# Altium PCB SmartLock_Alpha_v1.PcbDoc
Units mm, origin at the board's own origin, x right, y up, seen from the top; angles counter-clockwise.
Board outline 70.33 x 62.84 mm, 4 copper layers (Top Layer, Signal Layer 1, Signal Layer 2, Bottom Layer), stack 0.778 mm thick; 68 components, 73 nets, 286 pads, 587 vias.
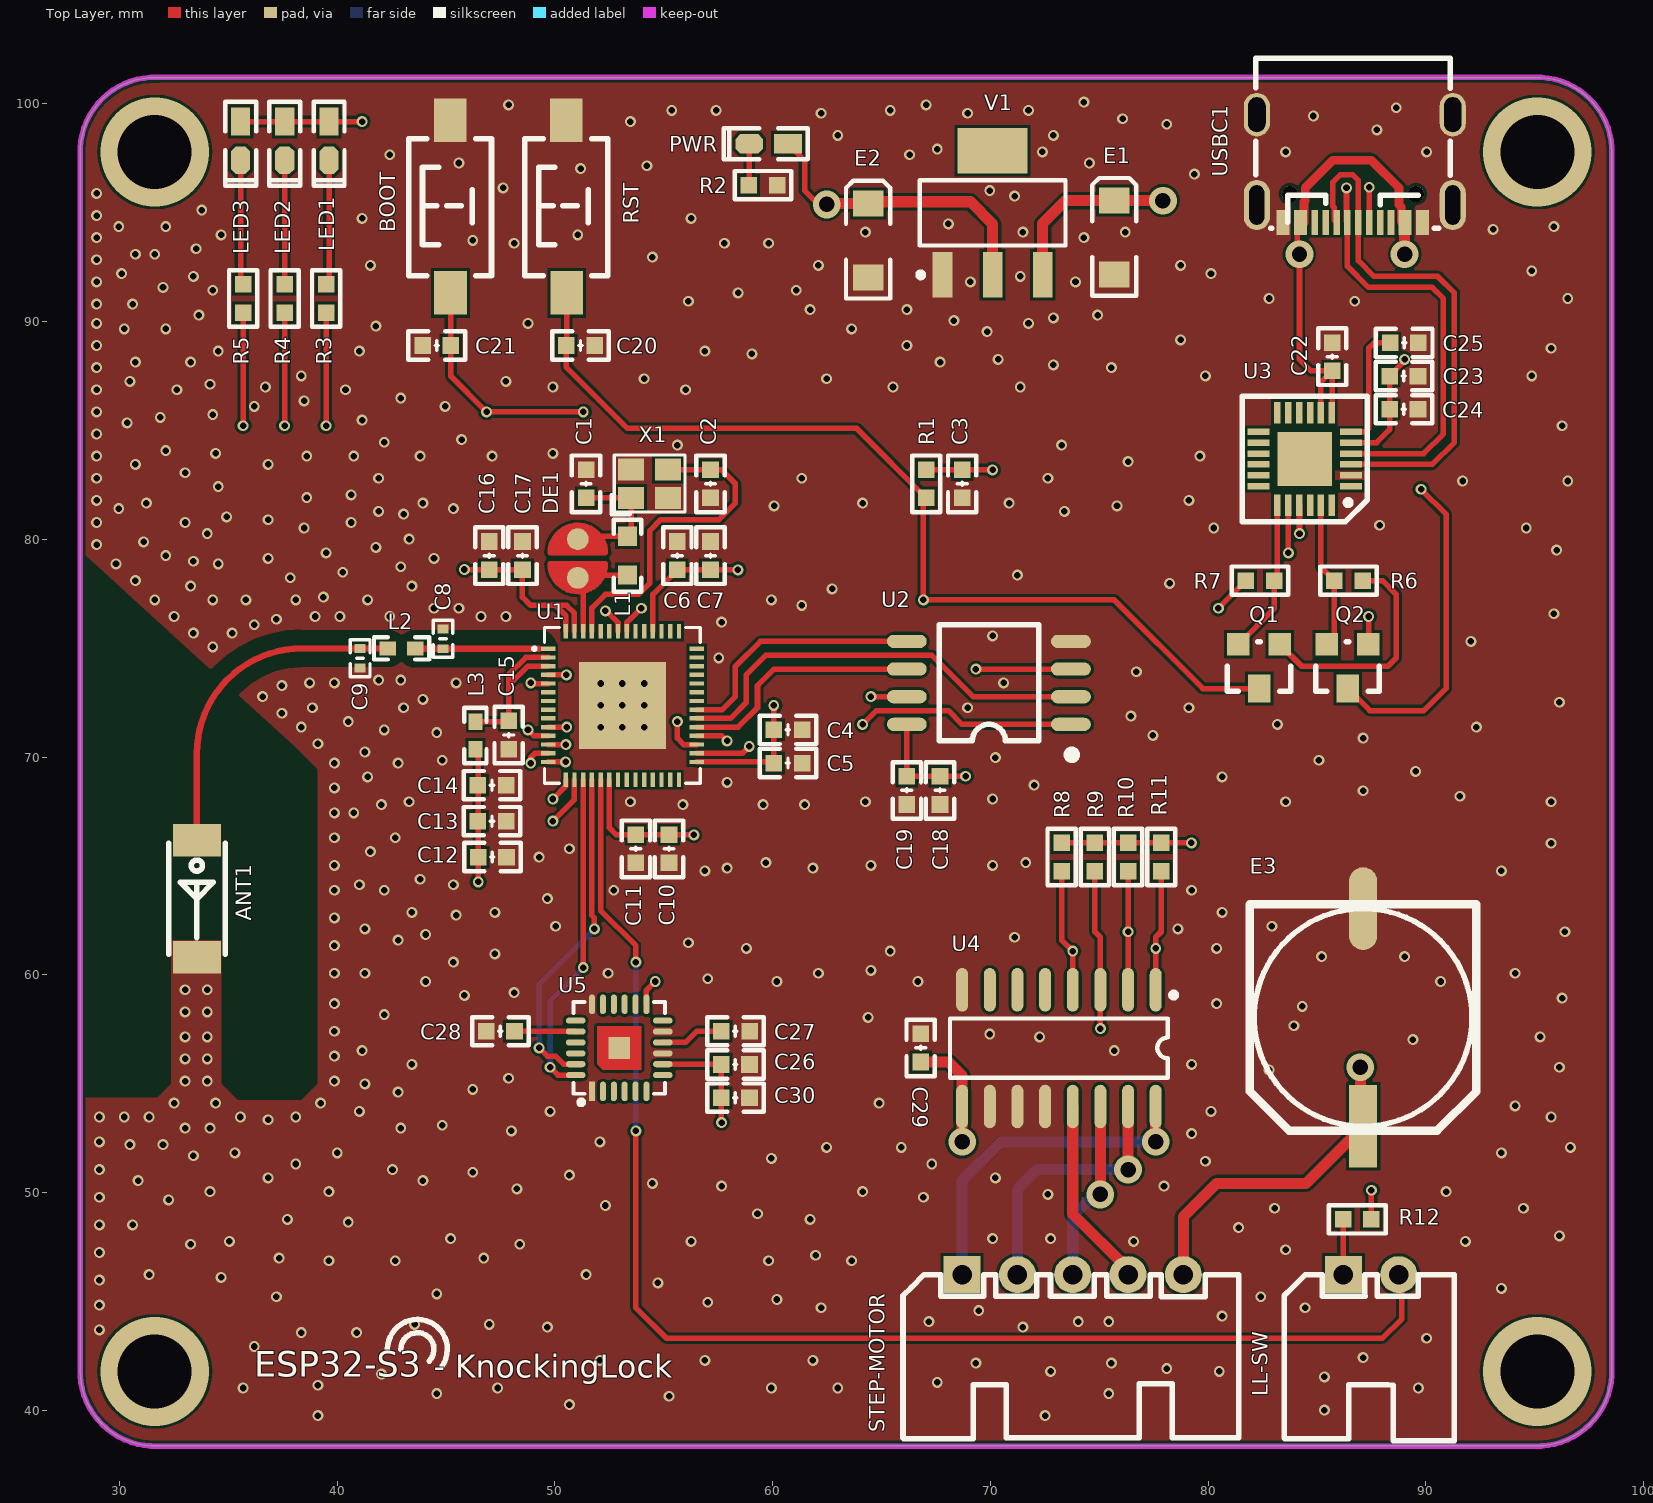
[diagram p0: Top Layer view]
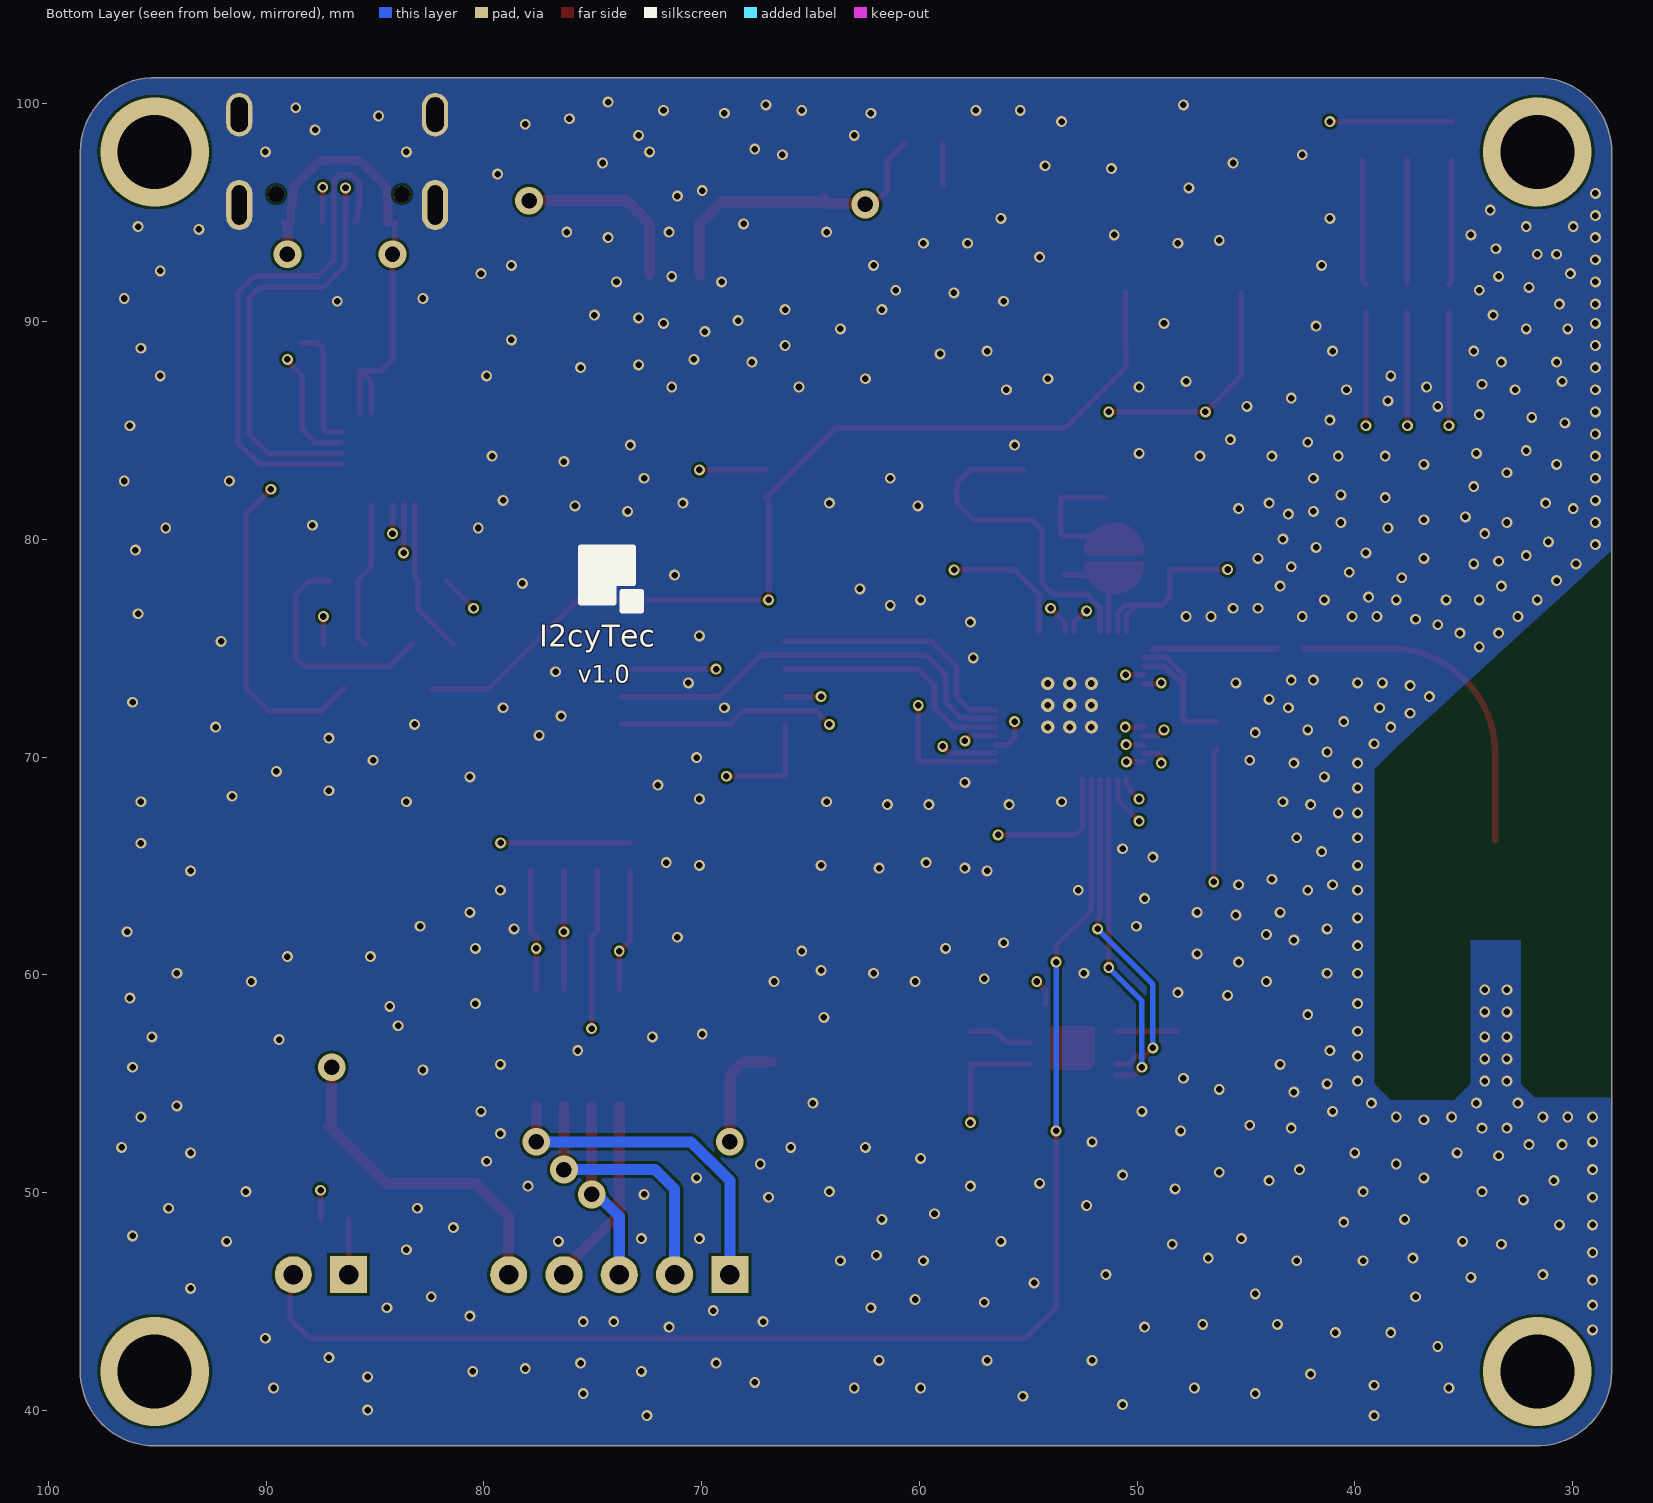
[diagram p1: Bottom Layer view, seen from below]
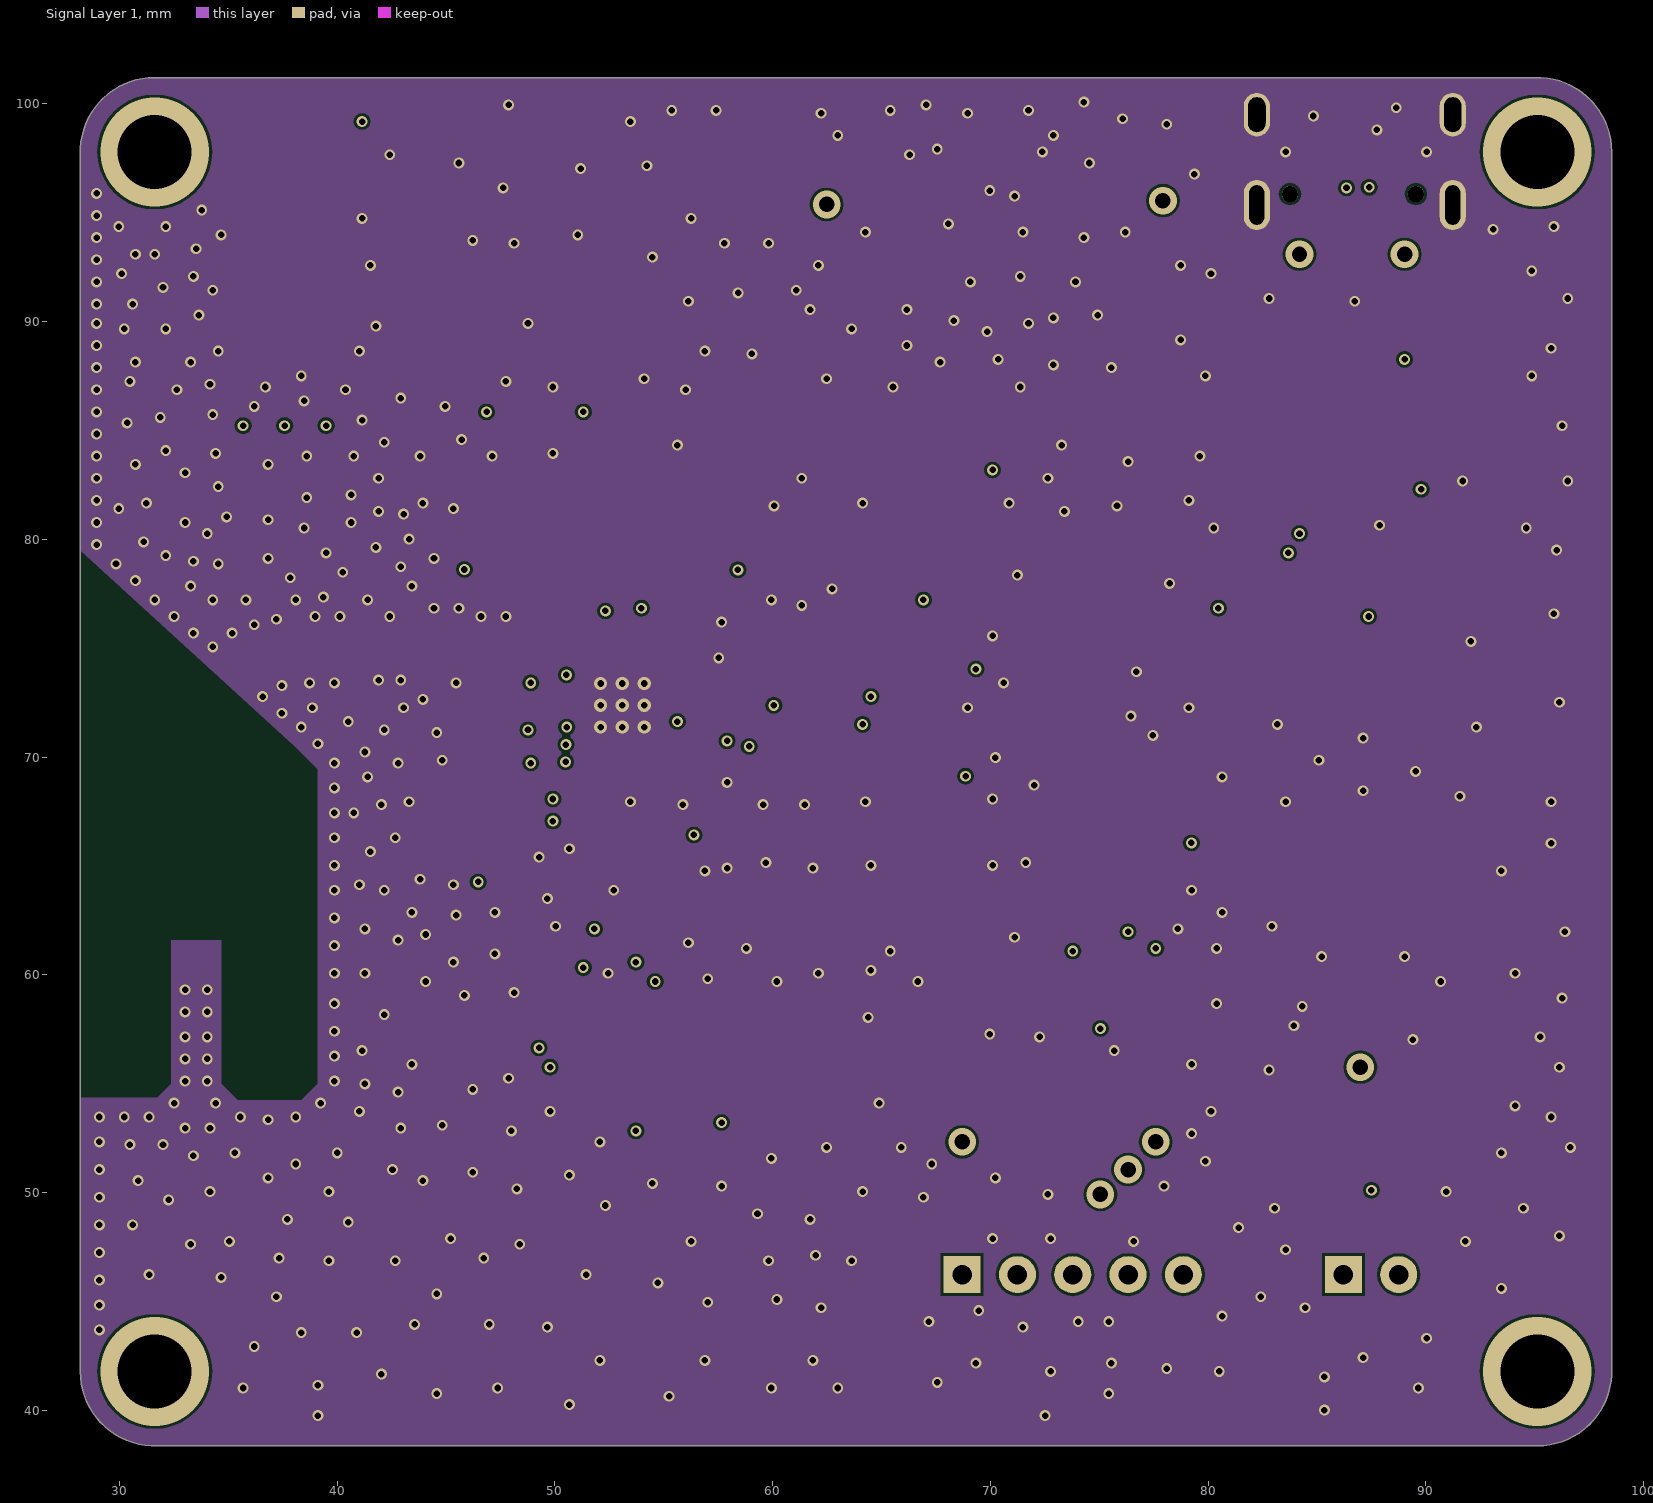
[diagram p2: Signal Layer 1]
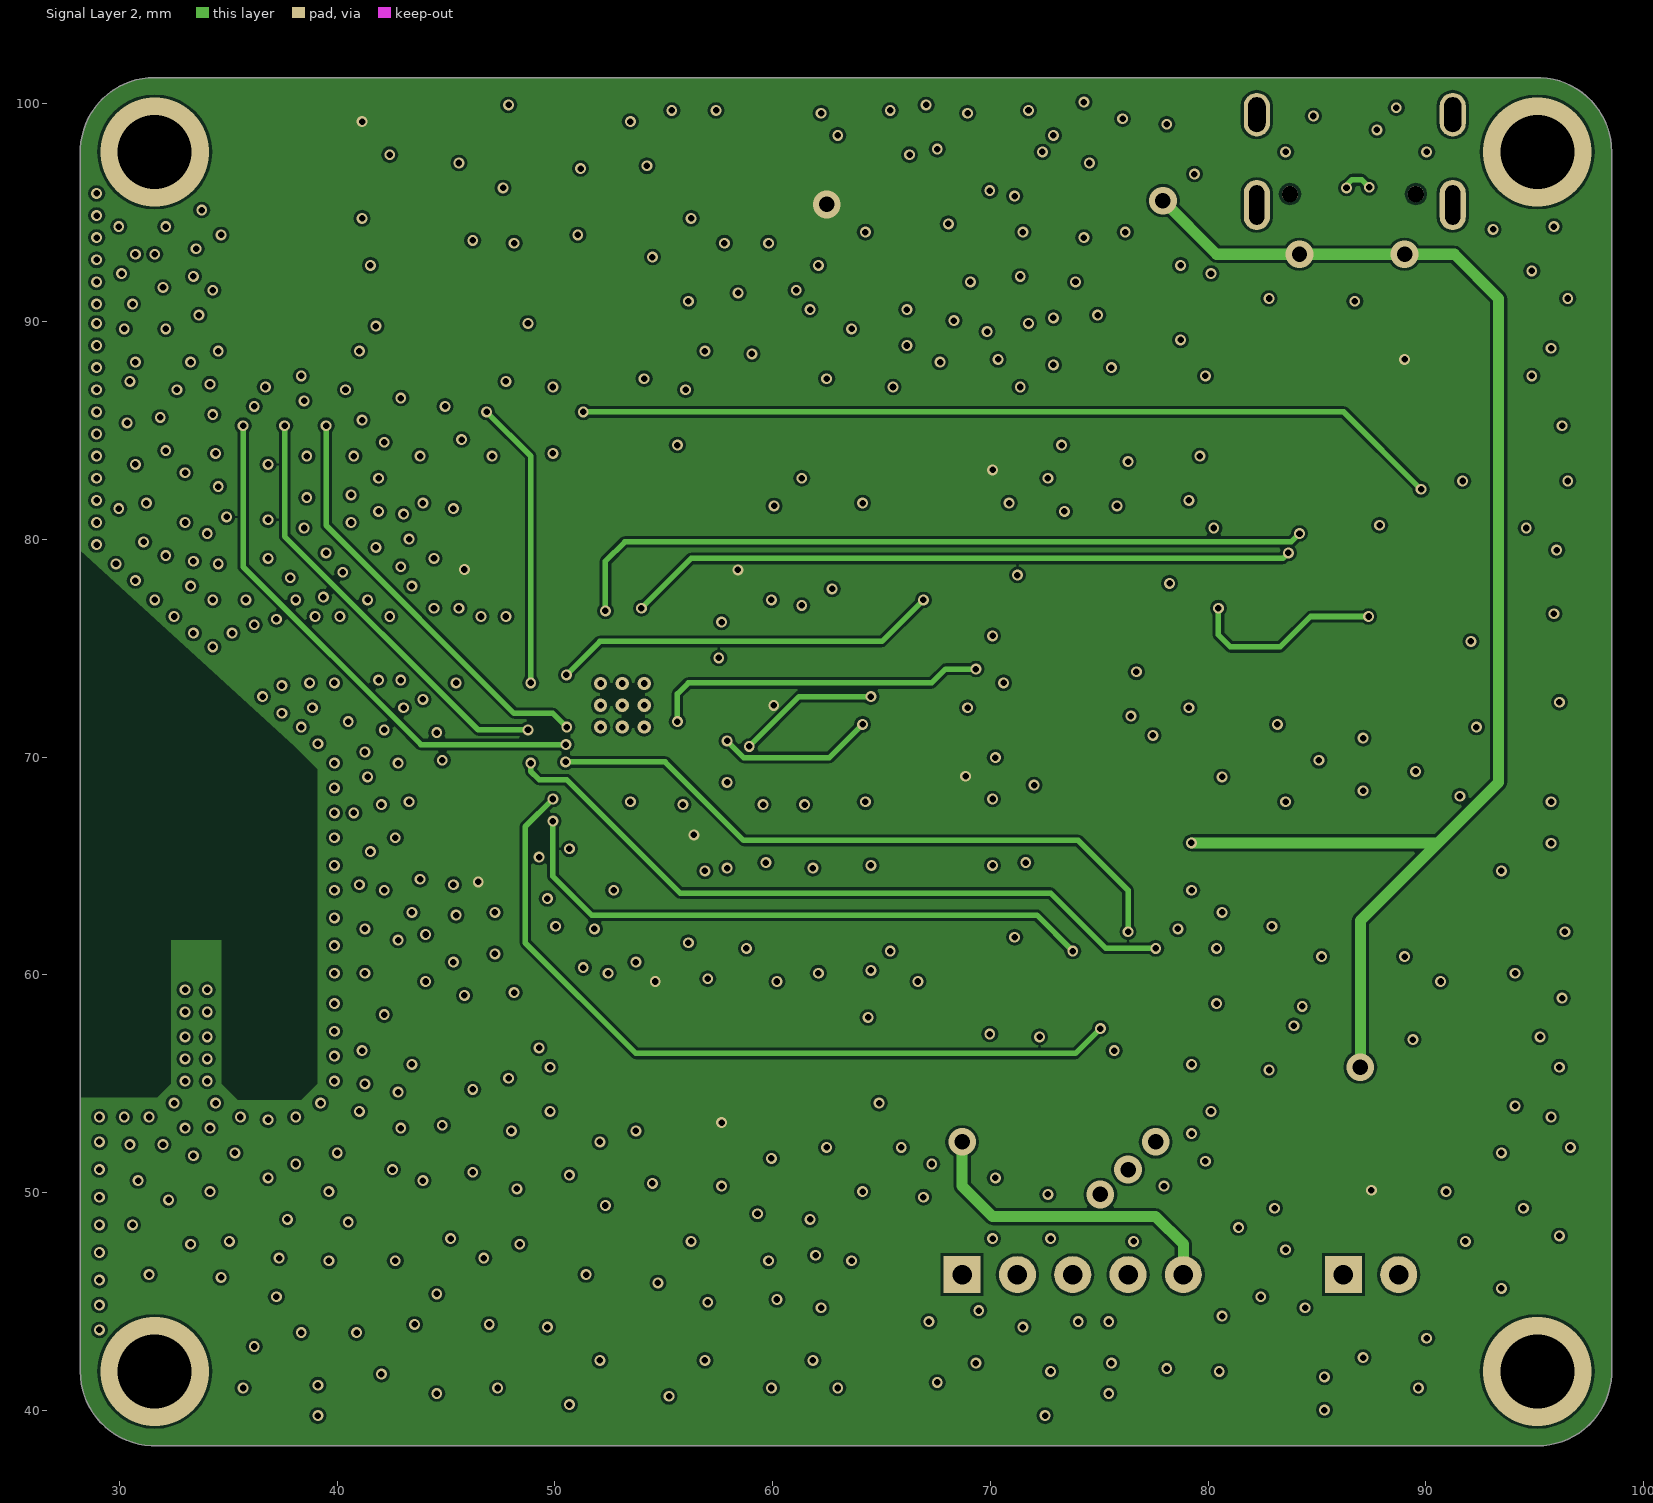
[diagram p3: Signal Layer 2]
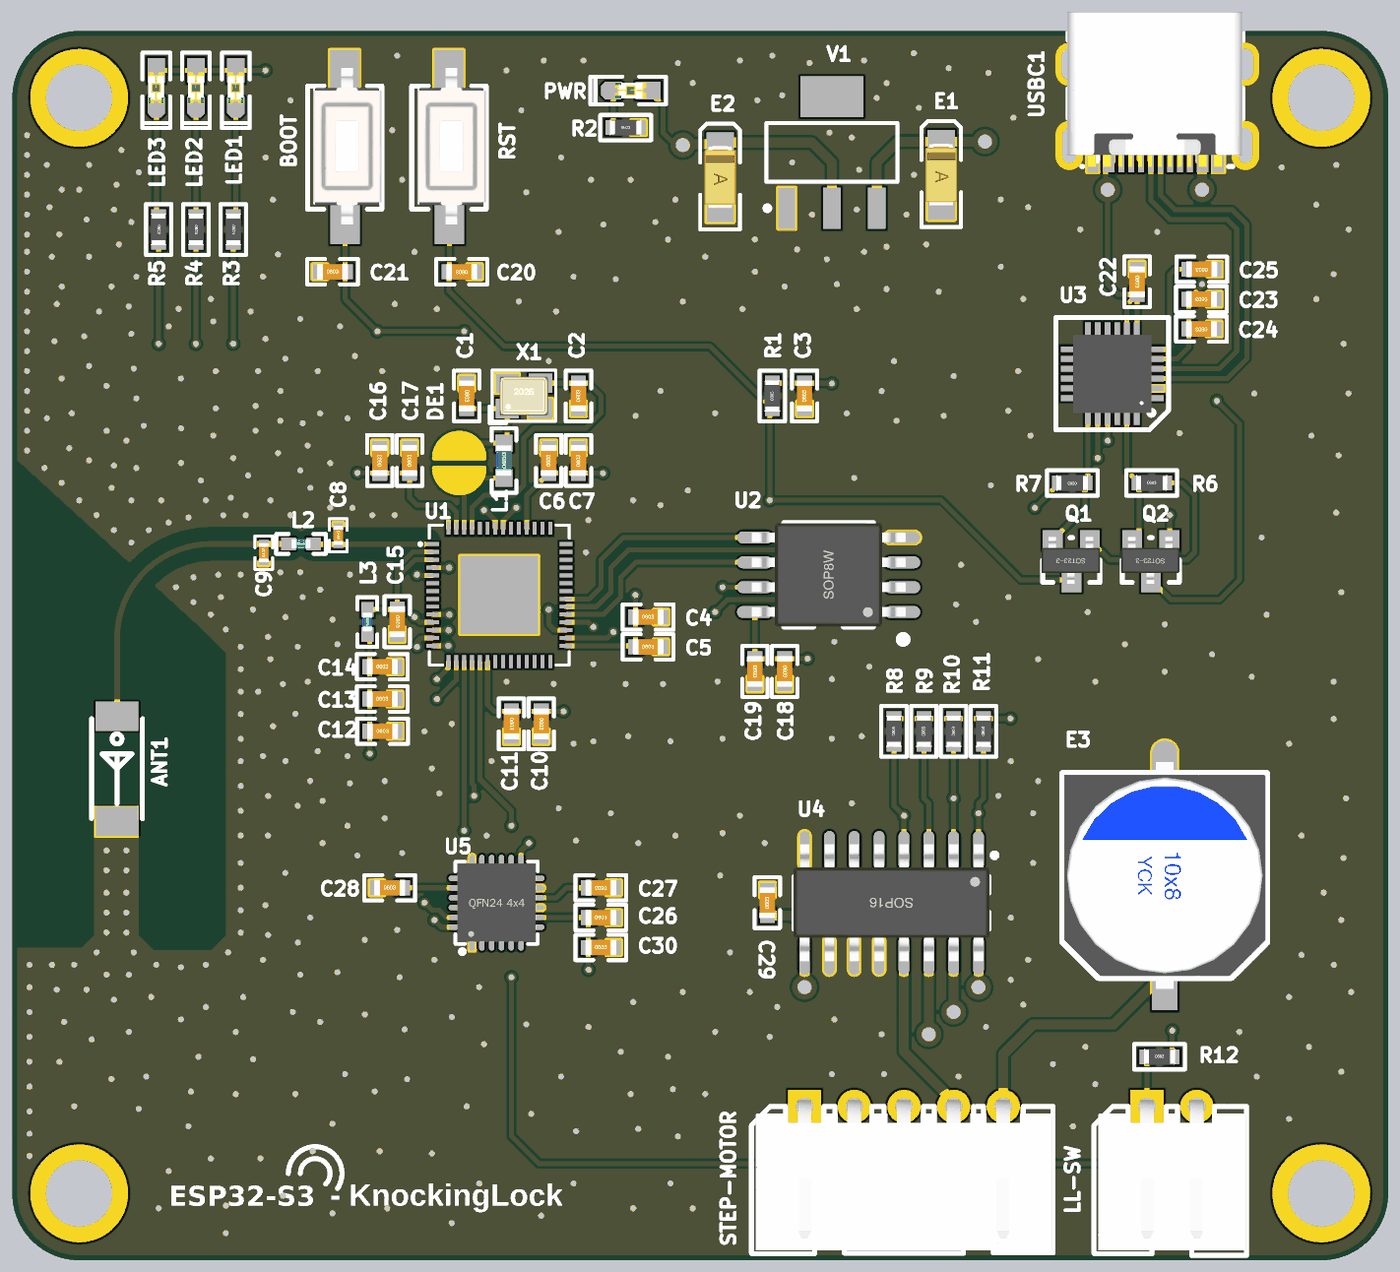
[diagram p4: 3D render of the assembled board from above, using the file's embedded part models]

## Layer stack, top to bottom
Top Solder: solder mask 0.0102, Solder Resist, Dk 3.5
Top Layer: signal copper 0.0356
Dielectric 1: core 0.254, FR-4, Dk 4.2
Signal Layer 1: signal copper 0.036
Dielectric 3: prepreg 0.127, Dk 4.2
Signal Layer 2: signal copper 0.036
Dielectric 2: core 0.254, Dk 4.2
Bottom Layer: signal copper 0.0356
Bottom Solder: solder mask 0.0102, Solder Resist, Dk 3.5

## Board outline
28.206,41.783 28.206,97.664 28.208,97.664 cw(c31.623,97.79) 31.623,101.207 31.623,101.205 94.997,101.205 cw(c95.123,97.79) 98.54,97.79 98.538,97.79 98.538,41.909 cw(c95.123,41.783) 95.123,38.366 95.123,38.368 31.749,38.368 cw(c31.623,41.783)

## Design rules (kind name [scope] priority, off if disabled: settings)
Clearance Clearance_1 [(InNet('ANT') OR InNet('NetANT1_1'))] p1: gap=0.127 ignorepadtopadclearanceinfootprint=FALSE except(0.717: Arc-Fill Arc-Poly Arc-Region Track-Fill Track-Poly Track-Region)
Clearance [All] p2: gap=0.127 ignorepadtopadclearanceinfootprint=FALSE
PolygonConnect [All] p1: connectstyle=Direct reliefconductorwidth=0.254 reliefentries=4 polygonreliefangle="45 Angle" airgapwidth=0.254
RoutingVias [All] p1: holewidth=0.3 width=0.5 viastyle="Through Hole" minholewidth=0.3 minwidth=0.5 maxholewidth=6 maxwidth=6.3
SolderMaskExpansion [All] p1: expansion=0.102
Width [All] p1: maxlimit=0.508 minlimit=0.127 preferedwidth=0.254
30 further rules are at their usual default settings.

## Classes and differential pairs
component class utils: C22 C23 C24 C25 Q1 Q2 R6 R7 U3 USBC1
component class motor&sensor: C26 C27 C28 C29 C30 E3 LL-SW R8 R9 R10 R11 R12 STEP-MOTOR U4 U5
component class core: ANT1 BOOT C1 C2 C3 C4 C5 C6 C7 C8 C9 C10 C11 C12 C13 C14 C15 C16 C17 C18 C19 C20 C21 DE1 E1 E2 L1 L2 L3 LED1 LED2 LED3 PWR R1 R2 R3 R4 R5 RST U1 U2 V1 X1

## Components (designator, comment, footprint, x,y, rotation, side; value= is the part's Value field where it differs from the comment)
ANT1 "AN2051-245" SMD-2051 33.528,63.5 r270 top
BOOT "3x6x5" "TSW SMD-3*6*2.5" 45.192,95.309 r90 top
C1 "20pF" "C 0603_L" 51.435,82.55 r270 top
C2 "20pF" "C 0603_L" 57.15,82.55 r90 top
C3 "1uF" "C 0603_L" 68.707,82.55 r90 top
C4 "1uF" "C 0603_L" 60.706,71.247 r0 top
C5 "100nF" "C 0603_L" 60.706,69.723 r0 top
C6 "1uF" "C 0603_L" 55.626,79.248 r90 top
C7 "100nF" "C 0603_L" 57.15,79.248 r90 top
C8 "3.3pF" "C 0402_L" 44.868,75.425 r270 top
C9 "2.3pF" "C 0402_L" 41.058,74.536 r90 top
C10 "1uF" "C 0603_L" 55.245,65.786 r270 top
C11 "100nF" "C 0603_L" 53.721,65.786 r270 top
C12 "10uF" "C 0603_L" 47.132,65.405 r0 top
C13 "1uF" "C 0603_L" 47.117,67.056 r0 top
C14 "100nF" "C 0603_L" 47.117,68.707 r0 top
C15 "100nF" "C 0603_L" 47.879,71.008 r270 top
C16 "1uF" "C 0603_L" 46.99,79.248 r90 top
C17 "10nF" "C 0603_L" 48.514,79.248 r90 top
C18 "100nF" "C 0603_L" 67.691,68.468 r270 top
C19 "1uF" "C 0603_L" 66.167,68.468 r270 top
C20 "100nF" "C 0603_L" 51.181,88.9 r180 top
C21 "100nF" "C 0603_L" 44.577,88.9 r0 top
C22 "10uF" "C 0603_L" 85.708,88.386 r270 top
C23 "1uF" "C 0603_L" 88.995,87.497 r180 top
C24 "100nF" "C 0603_L" 88.995,85.973 r180 top
C25 "100nF" "C 0603_L" 89.01,89.021 r180 top
C26 "100nF" "C 0603_L" 58.293,55.88 r0 top
C27 "100nF" "C 0603_L" 58.293,57.404 r180 top
C28 "2.2nF" "C 0603_L" 47.498,57.404 r0 top
C29 "100nF" "C 0603_L" 66.802,56.642 r90 top
C30 "1uF" "C 0603_L" 58.293,54.356 r0 top
DE1 "DEBUG PAD" DEBUG_A 51.054,79.121 r90 top
E1 "22uF/10V" "CD A(3216)" 75.692,93.853 r270 top
E2 "22uF/10V" "CD A(3216)" 64.389,93.726 r270 top
E3 "220uF/50V" "CT 10*8 - C" 87.122,58.039 r270 top
L1 "22nH" "L 0603" 53.34,79.248 r90 top
L2 "2.4nH" "L 0402" 42.964,74.986 r180 top
L3 "2.4nH" "L 0402" 46.355,70.993 r90 top
LED1 "绿色" "LED 0603B" 39.624,98.298 r270 top
LED2 "青色" "LED 0603B" 37.585,98.298 r270 top
LED3 "蓝色" "LED 0603B" 35.56,98.298 r270 top
LL-SW "HDR-1X2" XH2.54-WI-2P 87.488,46.228 r0 top
PWR "红色" "LED 0603B" 59.817,98.171 r180 top
Q1 "SS8050" SOT23-3N 83.419,75.194 r180 top
Q2 "SS8050" SOT23-3N 87.483,75.194 r180 top
R1 "10K" "R 0603_L" 67.056,82.55 r90 top
R2 "470R" "R 0603_L" 59.563,96.266 r0 top
R3 "470R" "R 0603_L" 39.497,91.059 r270 top
R4 "470R" "R 0603_L" 37.592,91.059 r270 top
R5 "470R" "R 0603_L" 35.687,91.059 r270 top
R6 "10K" "R 0603_L" 86.455,78.099 r0 top
R7 "10K" "R 0603_L" 82.391,78.099 r180 top
R8 "4.7K" "R 0603_L" 73.279,65.405 r90 top
R9 "4.7K" "R 0603_L" 74.803,65.405 r90 top
R10 "4.7K" "R 0603_L" 76.327,65.405 r90 top
R11 "4.7K" "R 0603_L" 77.851,65.405 r90 top
R12 "4.7K" "R 0603_L" 86.853,48.768 r0 top
RST "3x6x5" "TSW SMD-3*6*2.5" 50.526,95.309 r90 top
STEP-MOTOR "HDR-1X5" XH2.54-WI-5P 73.787,46.228 r0 top
U1 "ESP32-S3" "QFN56 7x7" 53.102,72.374 r0 top
U2 "W25Q64JVSSIQ" SOIC-8W 69.935,73.406 r180 top
U3 "CH9102F" QFN24 84.438,83.687 r180 top
U4 "达林顿驱动芯片" SOP16 73.152,56.642 r270 top
U5 "MPU6050" "QFN24 4x4_N" 52.959,56.642 r0 top
USBC1 "TYPE-C 2.0 -16P" USB-C-SMD_TYPE-C-USB-5 86.741,97.028 r180 top
V1 "AMS1117-3V3" SOT223_L 70.104,94.996 r90 top
X1 "40M ±10ppm" "OSC 2025-4P" 54.356,82.55 r0 top
